# Altium PCB FMC_ADC_128CH_10B.PcbDoc (part 2 of 14) (continued)
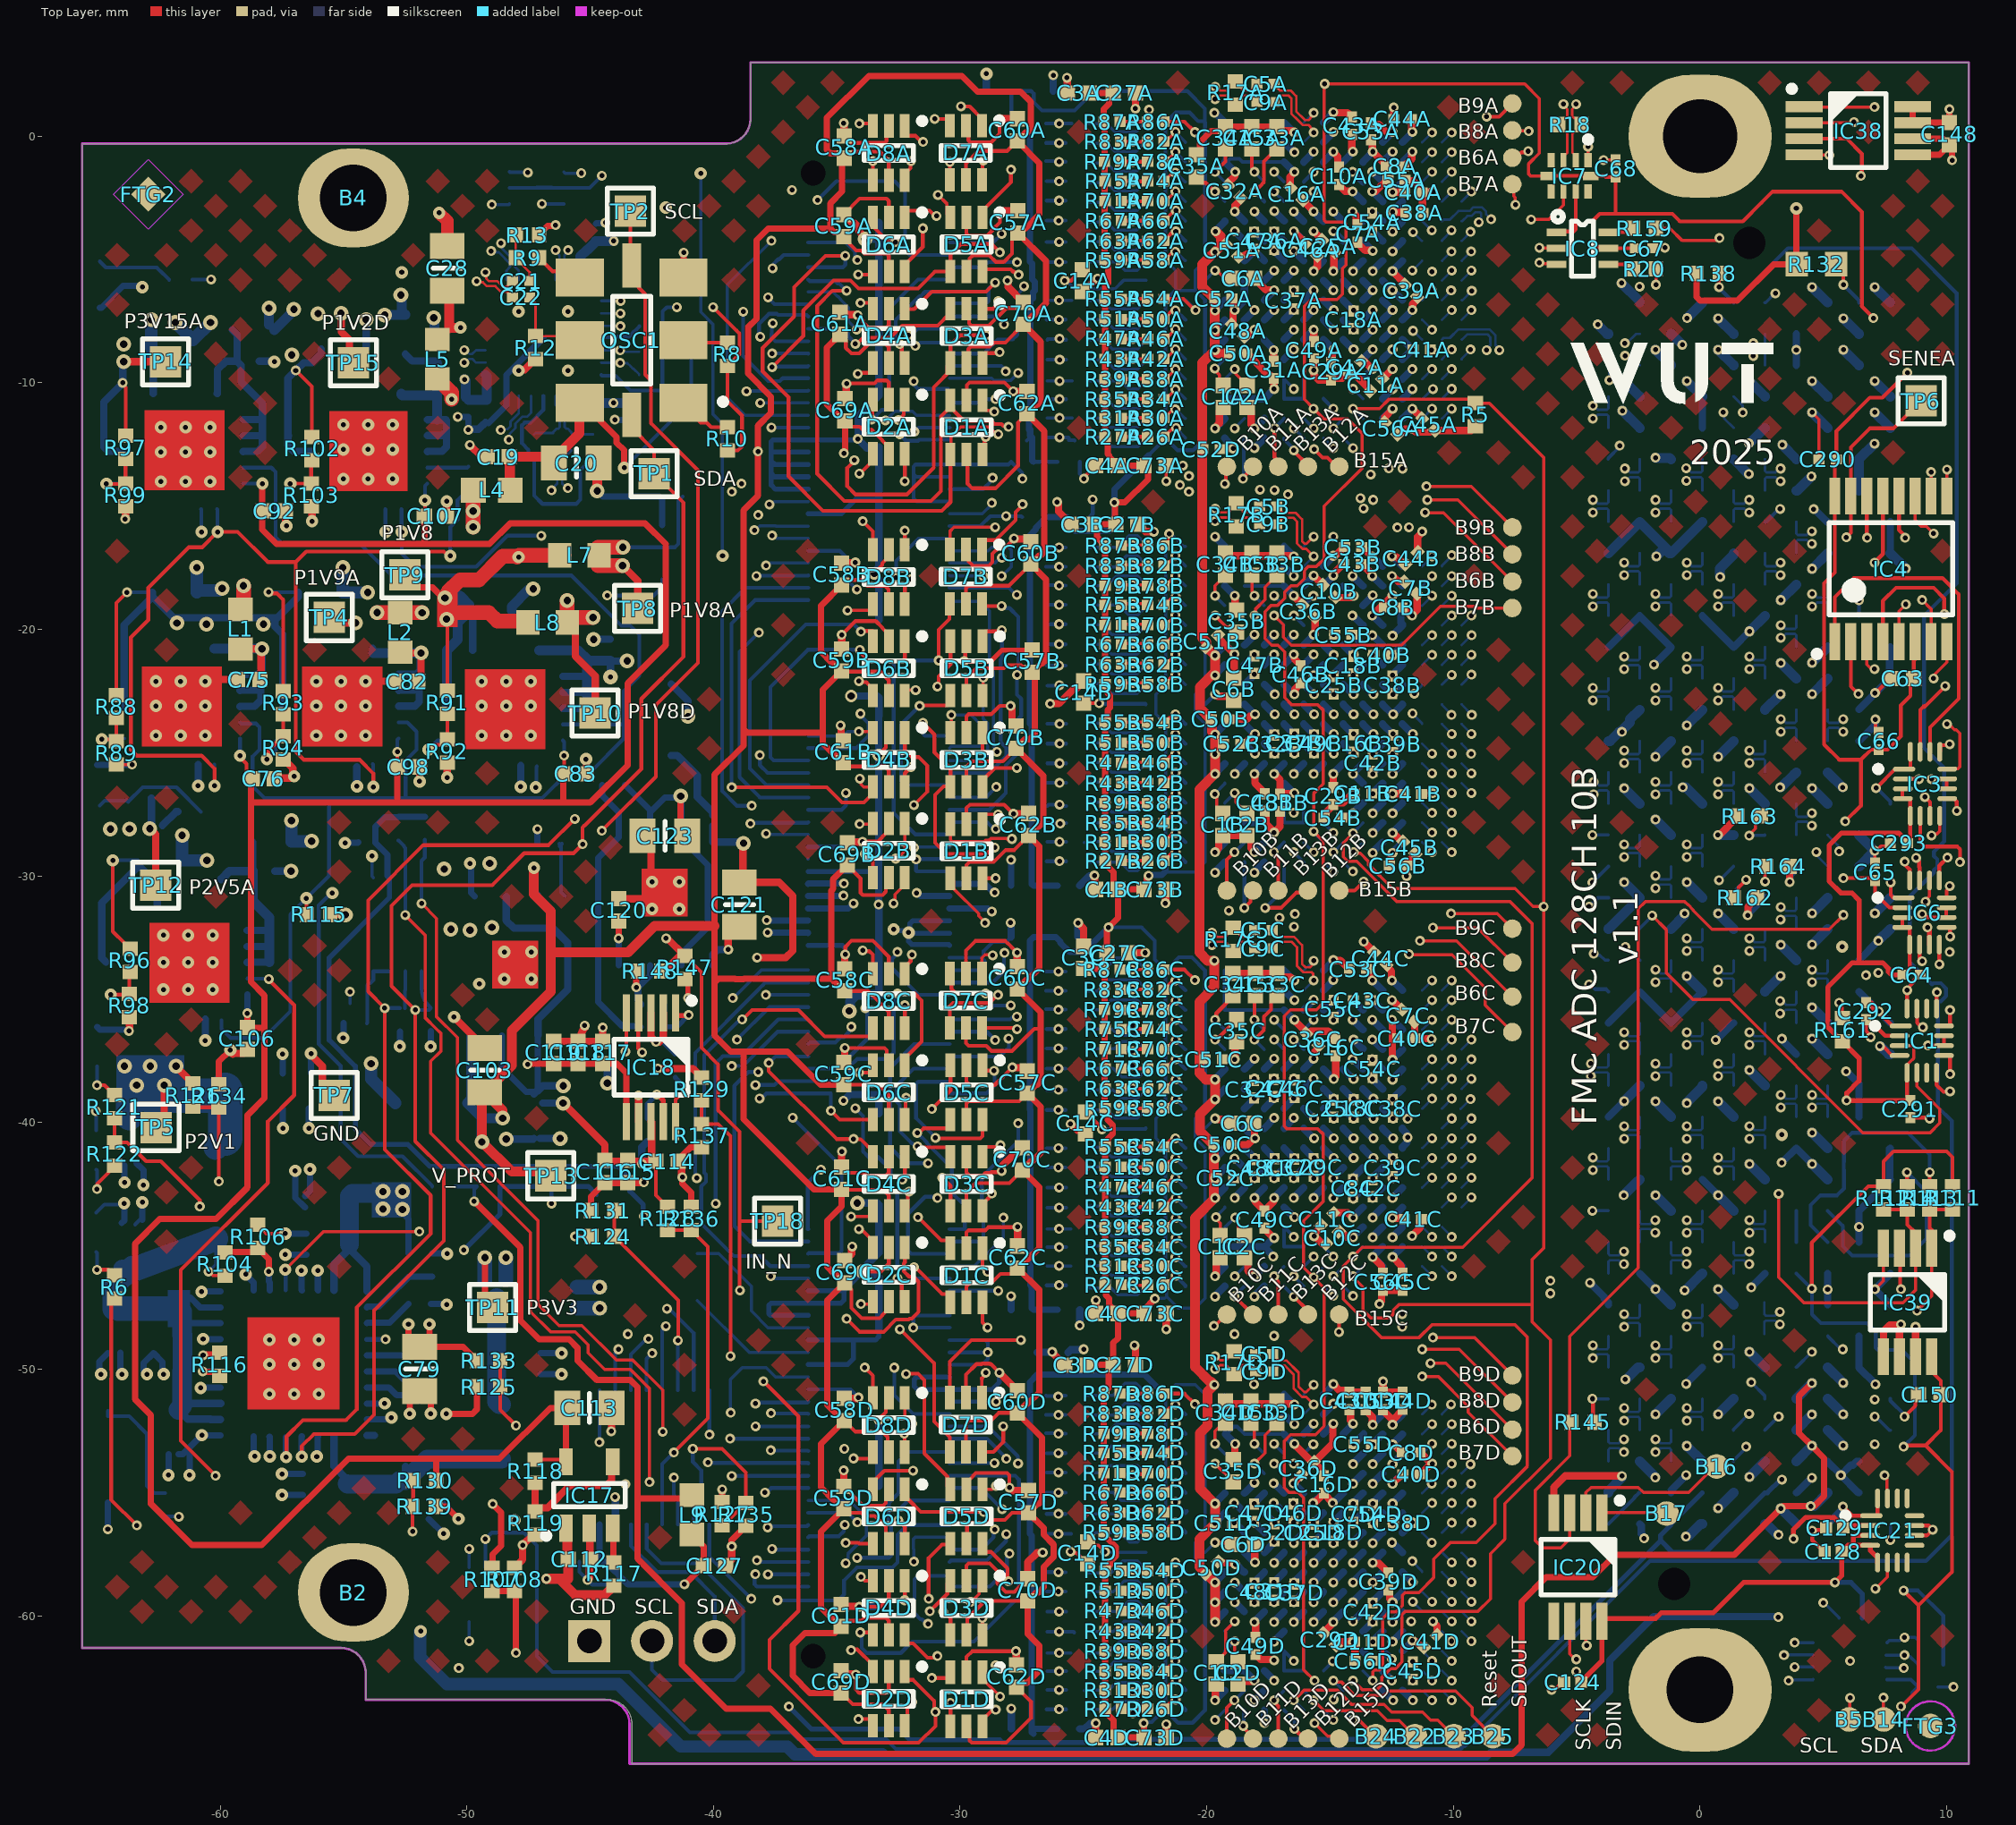
[diagram p0: Top Layer view]
## Components (designator, comment, footprint, x,y, rotation, side; value= is the part's Value field where it differs from the comment) (continued)
R57D "100" RESC0603X28N -25.197,-56.678 r0 bottom (schematic designator R57)
R58A "100" RESC0603X28N -22.069,-5.022 r180 top (schematic designator R58)
R58B "100" RESC0603X28N -22.069,-22.21 r180 top (schematic designator R58)
R58C "100" RESC0603X28N -22.069,-39.406 r180 top (schematic designator R58)
R58D "100" RESC0603X28N -22.069,-56.602 r180 top (schematic designator R58)
R59A "49R9" RESC0603X28N -23.792,-5.022 r180 top (schematic designator R59)
R59B "49R9" RESC0603X28N -23.792,-22.21 r180 top (schematic designator R59)
R59C "49R9" RESC0603X28N -23.792,-39.406 r180 top (schematic designator R59)
R59D "49R9" RESC0603X28N -23.842,-56.602 r180 top (schematic designator R59)
R60A "49R9" RESC0603X28N -26.819,-4.285 r180 bottom (schematic designator R60)
R60B "49R9" RESC0603X28N -26.819,-21.474 r180 bottom (schematic designator R60)
R60C "49R9" RESC0603X28N -26.819,-38.67 r180 bottom (schematic designator R60)
R60D "49R9" RESC0603X28N -26.819,-55.865 r180 bottom (schematic designator R60)
R61A "100" RESC0603X28N -25.147,-4.285 r0 bottom (schematic designator R61)
R61B "100" RESC0603X28N -25.147,-21.474 r0 bottom (schematic designator R61)
R61C "100" RESC0603X28N -25.197,-38.67 r0 bottom (schematic designator R61)
R61D "100" RESC0603X28N -25.197,-55.866 r0 bottom (schematic designator R61)
R62A "100" RESC0603X28N -22.069,-4.234 r180 top (schematic designator R62)
R62B "100" RESC0603X28N -22.069,-21.423 r180 top (schematic designator R62)
R62C "100" RESC0603X28N -22.069,-38.619 r180 top (schematic designator R62)
R62D "100" RESC0603X28N -22.069,-55.815 r180 top (schematic designator R62)
R63A "49R9" RESC0603X28N -23.792,-4.234 r180 top (schematic designator R63)
R63B "49R9" RESC0603X28N -23.792,-21.423 r180 top (schematic designator R63)
R63C "49R9" RESC0603X28N -23.792,-38.619 r180 top (schematic designator R63)
R63D "49R9" RESC0603X28N -23.842,-55.815 r180 top (schematic designator R63)
R64A "49R9" RESC0603X28N -26.819,-3.422 r180 bottom (schematic designator R64)
R64B "49R9" RESC0603X28N -26.819,-20.61 r180 bottom (schematic designator R64)
R64C "49R9" RESC0603X28N -26.819,-37.806 r180 bottom (schematic designator R64)
R64D "49R9" RESC0603X28N -26.819,-55.002 r180 bottom (schematic designator R64)
R65A "100" RESC0603X28N -25.147,-3.422 r0 bottom (schematic designator R65)
R65B "100" RESC0603X28N -25.147,-20.61 r0 bottom (schematic designator R65)
R65C "100" RESC0603X28N -25.197,-37.806 r0 bottom (schematic designator R65)
R65D "100" RESC0603X28N -25.197,-55.002 r0 bottom (schematic designator R65)
R66A "100" RESC0603X28N -22.069,-3.422 r180 top (schematic designator R66)
R66B "100" RESC0603X28N -22.069,-20.61 r180 top (schematic designator R66)
R66C "100" RESC0603X28N -22.069,-37.806 r180 top (schematic designator R66)
R66D "100" RESC0603X28N -22.069,-55.002 r180 top (schematic designator R66)
R67A "49R9" RESC0603X28N -23.792,-3.422 r180 top (schematic designator R67)
R67B "49R9" RESC0603X28N -23.792,-20.61 r180 top (schematic designator R67)
R67C "49R9" RESC0603X28N -23.792,-37.806 r180 top (schematic designator R67)
R67D "49R9" RESC0603X28N -23.842,-55.002 r180 top (schematic designator R67)
R68A "49R9" RESC0603X28N -26.819,-2.609 r180 bottom (schematic designator R68)
R68B "49R9" RESC0603X28N -26.819,-19.797 r180 bottom (schematic designator R68)
R68C "49R9" RESC0603X28N -26.819,-36.993 r180 bottom (schematic designator R68)
R68D "49R9" RESC0603X28N -26.819,-54.189 r180 bottom (schematic designator R68)
R69A "100" RESC0603X28N -25.146,-2.609 r0 bottom (schematic designator R69)
R69B "100" RESC0603X28N -25.146,-19.798 r0 bottom (schematic designator R69)
R69C "100" RESC0603X28N -25.196,-36.993 r0 bottom (schematic designator R69)
R69D "100" RESC0603X28N -25.196,-54.189 r0 bottom (schematic designator R69)
R70A "100" RESC0603X28N -22.069,-2.634 r180 top (schematic designator R70)
R70B "100" RESC0603X28N -22.069,-19.823 r180 top (schematic designator R70)
R70C "100" RESC0603X28N -22.069,-37.019 r180 top (schematic designator R70)
R70D "100" RESC0603X28N -22.069,-54.214 r180 top (schematic designator R70)
R71A "49R9" RESC0603X28N -23.792,-2.634 r180 top (schematic designator R71)
R71B "49R9" RESC0603X28N -23.792,-19.823 r180 top (schematic designator R71)
R71C "49R9" RESC0603X28N -23.792,-37.019 r180 top (schematic designator R71)
R71D "49R9" RESC0603X28N -23.842,-54.214 r180 top (schematic designator R71)
R72A "49R9" RESC0603X28N -26.819,-1.821 r180 bottom (schematic designator R72)
R72B "49R9" RESC0603X28N -26.819,-19.01 r180 bottom (schematic designator R72)
R72C "49R9" RESC0603X28N -26.819,-36.206 r180 bottom (schematic designator R72)
R72D "49R9" RESC0603X28N -26.819,-53.402 r180 bottom (schematic designator R72)
R73A "100" RESC0603X28N -25.147,-1.821 r0 bottom (schematic designator R73)
R73B "100" RESC0603X28N -25.147,-19.01 r0 bottom (schematic designator R73)
R73C "100" RESC0603X28N -25.197,-36.206 r0 bottom (schematic designator R73)
R73D "100" RESC0603X28N -25.197,-53.402 r0 bottom (schematic designator R73)
R74A "100" RESC0603X28N -22.069,-1.821 r180 top (schematic designator R74)
R74B "100" RESC0603X28N -22.069,-19.01 r180 top (schematic designator R74)
R74C "100" RESC0603X28N -22.069,-36.206 r180 top (schematic designator R74)
R74D "100" RESC0603X28N -22.069,-53.402 r180 top (schematic designator R74)
R75A "49R9" RESC0603X28N -23.792,-1.822 r180 top (schematic designator R75)
R75B "49R9" RESC0603X28N -23.792,-19.01 r180 top (schematic designator R75)
R75C "49R9" RESC0603X28N -23.792,-36.206 r180 top (schematic designator R75)
R75D "49R9" RESC0603X28N -23.842,-53.402 r180 top (schematic designator R75)
R76A "49R9" RESC0603X28N -26.844,-1.009 r180 bottom (schematic designator R76)
R76B "49R9" RESC0603X28N -26.844,-18.197 r180 bottom (schematic designator R76)
R76C "49R9" RESC0603X28N -26.844,-35.393 r180 bottom (schematic designator R76)
R76D "49R9" RESC0603X28N -26.844,-52.589 r180 bottom (schematic designator R76)
R77A "100" RESC0603X28N -25.147,-1.034 r0 bottom (schematic designator R77)
R77B "100" RESC0603X28N -25.147,-18.223 r0 bottom (schematic designator R77)
R77C "100" RESC0603X28N -25.197,-35.418 r0 bottom (schematic designator R77)
R77D "100" RESC0603X28N -25.197,-52.614 r0 bottom (schematic designator R77)
R78A "100" RESC0603X28N -22.069,-1.034 r180 top (schematic designator R78)
R78B "100" RESC0603X28N -22.069,-18.223 r180 top (schematic designator R78)
R78C "100" RESC0603X28N -22.069,-35.418 r180 top (schematic designator R78)
R78D "100" RESC0603X28N -22.069,-52.614 r180 top (schematic designator R78)
R79A "49R9" RESC0603X28N -23.817,-1.034 r180 top (schematic designator R79)
R79B "49R9" RESC0603X28N -23.792,-18.223 r180 top (schematic designator R79)
R79C "49R9" RESC0603X28N -23.817,-35.418 r180 top (schematic designator R79)
R79D "49R9" RESC0603X28N -23.842,-52.614 r180 top (schematic designator R79)
R80A "49R9" RESC0603X28N -26.844,-0.272 r180 bottom (schematic designator R80)
R80B "49R9" RESC0603X28N -26.844,-17.461 r180 bottom (schematic designator R80)
R80C "49R9" RESC0603X28N -26.844,-34.656 r180 bottom (schematic designator R80)
R80D "49R9" RESC0603X28N -26.844,-51.852 r180 bottom (schematic designator R80)
R81A "100" RESC0603X28N -25.147,-0.272 r0 bottom (schematic designator R81)
R81B "100" RESC0603X28N -25.147,-17.461 r0 bottom (schematic designator R81)
R81C "100" RESC0603X28N -25.197,-34.656 r0 bottom (schematic designator R81)
R81D "100" RESC0603X28N -25.197,-51.852 r0 bottom (schematic designator R81)
R82A "100" RESC0603X28N -22.069,-0.221 r180 top (schematic designator R82)
R82B "100" RESC0603X28N -22.069,-17.41 r180 top (schematic designator R82)
R82C "100" RESC0603X28N -22.069,-34.606 r180 top (schematic designator R82)
R82D "100" RESC0603X28N -22.069,-51.801 r180 top (schematic designator R82)
R83A "49R9" RESC0603X28N -23.817,-0.221 r180 top (schematic designator R83)
R83B "49R9" RESC0603X28N -23.792,-17.41 r180 top (schematic designator R83)
R83C "49R9" RESC0603X28N -23.817,-34.606 r180 top (schematic designator R83)
R83D "49R9" RESC0603X28N -23.842,-51.801 r180 top (schematic designator R83)
R84A "49R9" RESC0603X28N -26.844,0.515 r180 bottom (schematic designator R84)
R84B "49R9" RESC0603X28N -26.844,-16.673 r180 bottom (schematic designator R84)
R84C "49R9" RESC0603X28N -26.844,-33.869 r180 bottom (schematic designator R84)
R84D "49R9" RESC0603X28N -26.844,-51.065 r180 bottom (schematic designator R84)
R85A "100" RESC0603X28N -25.147,0.515 r0 bottom (schematic designator R85)
R85B "100" RESC0603X28N -25.147,-16.673 r0 bottom (schematic designator R85)
R85C "100" RESC0603X28N -25.197,-33.869 r0 bottom (schematic designator R85)
R85D "100" RESC0603X28N -25.197,-51.065 r0 bottom (schematic designator R85)
R86A "100" RESC0603X28N -22.069,0.592 r180 top (schematic designator R86)
R86B "100" RESC0603X28N -22.069,-16.597 r180 top (schematic designator R86)
R86C "100" RESC0603X28N -22.069,-33.793 r180 top (schematic designator R86)
R86D "100" RESC0603X28N -22.069,-50.989 r180 top (schematic designator R86)
R87A "49R9" RESC0603X28N -23.842,0.591 r180 top (schematic designator R87)
R87B "49R9" RESC0603X28N -23.792,-16.597 r180 top (schematic designator R87)
R87C "49R9" RESC0603X28N -23.842,-33.793 r180 top (schematic designator R87)
R87D "49R9" RESC0603X28N -23.842,-50.989 r180 top (schematic designator R87)
R88 "33k" RESC1005X40N -64.208,-23.125 r90 top
R89 "24k" RESC1005X40N -64.208,-25.004 r90 top
R90 "10k" RESC1005X40N -49.12,-42.586 r0 bottom
R91 "30k" RESC1005X40N -50.788,-22.952 r90 top
R92 "24k" RESC1005X40N -50.788,-24.933 r90 top
R93 "33k" RESC1005X40N -57.438,-22.968 r90 top
R94 "24k" RESC1005X40N -57.438,-24.797 r90 top
R95 "10k" RESC1005X40N -44.285,-37.257 r90 bottom
R96 "51k" RESC1005X40N -63.653,-33.415 r90 top
R97 "47k" RESC1005X40N -63.833,-12.613 r90 top
R98 "24k" RESC1005X40N -63.678,-35.244 r90 top
R99 "16k" RESC1005X40N -63.833,-14.543 r90 top
R100 "10k" RESC1005X40N -50.935,-42.586 r0 bottom
R101 "0" RESC1005X40N -49.937,-13.862 r270 bottom
R102 "10k" RESC1005X40N -56.281,-12.663 r90 top
R103 "20k" RESC1005X40N -56.307,-14.543 r90 top
R104 "7k5" RESC1005X40N -59.808,-45.733 r270 top
R105 "10k" RESC1005X40N 6.107,-60.086 r0 bottom
R106 "3k" RESC1005X40N -58.474,-44.617 r270 top
R107 "6k8" RESC1005X40N -48.981,-58.52 r90 top
R108 "1k5" RESC1005X40N -48.066,-58.52 r270 top
R109 "2k4" RESC1005X40N -52.361,-45.768 r90 bottom
R110 "1k8" RESC1005X40N -51.396,-45.768 r270 bottom
R111 "10k" RESC1005X40N 10.237,-43.05 r90 top
R112 "10k" RESC1005X40N 7.437,-43.05 r90 top
R113 "0" RESC1005X40N 9.312,-43.05 r90 top
R114 "0" RESC1005X40N 8.402,-43.05 r90 top
R115 "10k" RESC1005X40N -56.006,-31.562 r0 top
R116 "0" RESC1005X40N -60.025,-49.8 r90 top
R117 "0" RESC1005X40N -44.031,-58.299 r90 top
R118 "5k6" RESC1005X40N -47.229,-54.13 r90 top
R119 "1k8" RESC1005X40N -47.229,-56.23 r90 top
R120 "1k" RESC1005X40N -63.257,-26.984 r0 bottom
R121 "1k" RESC1005X40N -64.286,-39.353 r270 top
R122 "1k" RESC1005X40N -64.286,-41.268 r90 top
R123 "10k" RESC1005X40N -41.713,-14.604 r0 bottom
R124 "1k3" RESC1005X40N -44.483,-44.617 r180 top
R125 "7k5" RESC1005X40N -49.114,-50.708 r180 top
R126 "1k" RESC1005X40N -61.102,-38.883 r90 top
R127 "1k3" RESC1005X40N -39.645,-55.861 r90 top
R128 "1k3" RESC1005X40N -41.855,-43.88 r90 top
R129 "3k" RESC1005X40N -40.479,-38.633 r90 top
R130 "1k5" RESC1005X40N -51.705,-54.511 r0 top
R131 "2k" RESC1005X40N -44.49,-43.567 r0 top
R132 "4k7" RESC1608X55N 4.717,-5.193 r0 top
R133 "1k5" RESC1005X40N -49.114,-49.649 r0 top
R134 "20k" RESC1005X40N -60.053,-38.908 r270 top
R135 "2k" RESC1005X40N -38.684,-55.883 r90 top
R136 "2k" RESC1005X40N -40.893,-43.891 r270 top
R137 "12k" RESC1005X40N -40.479,-40.526 r90 top
R138 "10k" RESC1005X40N 0.332,-5.56 r0 top
R139 "1k" RESC1005X40N -51.726,-55.558 r180 top
R140 "1k" RESC1005X40N -61.248,-27.391 r180 bottom
R141 "0" RESC1005X40N -42.783,-40.302 r270 bottom
R142 "0" RESC1005X40N -42.473,-36.115 r180 bottom
R143 "1k" RESC1005X40N -41.559,-37.693 r270 bottom
R144 "0" RESC1005X40N -44.048,-26.312 r0 bottom
R145 "10k" RESC1005X40N -4.751,-52.149 r180 top
R146 "0" RESC1005X40N -42.455,-35.226 r0 bottom
R147 "0" RESC1005X40N -41.154,-33.713 r270 top
R148 "0" RESC1005X40N -42.582,-33.851 r180 top
R158 "2k2" RESC1005X40N -52.782,-28.088 r90 bottom
R159 "2k2" RESC1005X40N -2.256,-3.732 r180 top
R160 "100k" RESC1005X40N -54.519,-35.963 r180 bottom
R161 "2k2" RESC1005X40N 5.768,-36.234 r90 top
R162 "2k2" RESC1005X40N 1.833,-30.874 r180 top
R163 "2k2" RESC1005X40N 2.006,-27.56 r0 top
R164 "2k2" RESC1005X40N 3.163,-29.604 r180 top
T1 "2N7002DW" SOT65P210X110-6N -47.164,-2.094 r0 bottom
T2 "2N7002DW" SOT65P210X110-6N -49.247,-59.142 r90 bottom
T3 "2N7002DW" SOT65P210X110-6N -41.424,-16.871 r90 bottom
TP1 "I2C SW SDA" TPS127 -42.4,-13.677 r180 top
TP2 "I2C SW SCL" TPS127 -43.364,-3.043 r180 top
TP3 "Test Point" TPS127 -44.8,-42.862 r90 bottom
TP4 "Test Point" TPS127 -55.568,-19.514 r270 top
TP5 "Test Point" TPS127 -62.602,-40.193 r270 top
TP6 "Test Point" TPS127 8.958,-10.727 r180 top
TP7 "Test Point" TPS127 -55.369,-38.892 r90 top
TP8 "Test Point" TPS127 -43.072,-19.145 r270 top
TP9 "Test Point" TPS127 -52.505,-17.785 r270 top
TP10 "Test Point" TPS127 -44.795,-23.391 r270 top
TP11 "Test Point" TPS127 -48.952,-47.494 r270 top
TP12 "Test Point" TPS127 -62.609,-30.368 r270 top
TP13 "Test Point" TPS127 -46.589,-42.152 r270 top
TP14 "Test Point" TPS127 -62.205,-9.148 r270 top
TP15 "Test Point" TPS127 -54.6,-9.192 r270 top
TP16 "SMD Pad" C100#2 -40.653,-45.313 r0 bottom
TP17 "SMD Pad" C100#2 -40.653,-47.206 r0 bottom
TP18 "Test Point" TPS127 -37.4,-43.991 r90 top
U1A "AFE5832ZBV" BGA289C80P17X17_1500X1500X140 -16.067,-5.845 r270 bottom locked (schematic designator U1)
U1B "AFE5832ZBV" BGA289C80P17X17_1500X1500X140 -16.067,-23.034 r270 bottom locked (schematic designator U1)
U1C "AFE5832ZBV" BGA289C80P17X17_1500X1500X140 -16.067,-40.23 r270 bottom locked (schematic designator U1)
U1D "AFE5832ZBV" BGA289C80P17X17_1500X1500X140 -16.067,-57.425 r270 bottom locked (schematic designator U1)

## Footprints (in the part's own frame and the unit in brackets; to place one, negate y for a bottom-side part, rotate by r counter-clockwise, add the part's x,y. Pads: shape width x height; smd on the part's side, far side on the other; paste and mask are expansions set on the pad)
"16 QSOP" [mil]
  rect 57.5x14 smd paste+0 mask+0: 1(-107.25,87.5) 2(-107.25,62.5) 3(-107.25,37.5) 4(-107.25,12.5) 5(-107.25,-12.5) 6(-107.25,-37.5) 7(-107.25,-62.5) 8(-107.25,-87.5) 9(107.25,-87.5) 10(107.25,-62.5) 11(107.25,-37.5) 12(107.25,-12.5) 13(107.25,12.5) 14(107.25,37.5) 15(107.25,62.5) 16(107.25,87.5)
  silkscreen extent -162,-103 69,103, body extent -122,-98 122,98, height 69
BGA289C80P17X17_1500X1500X140 [mm] "BGA, 0.80mm Pitch, Square; 289 Pin, 17 Columns X 17 Rows, 15.0mm X 15.0mm X 1.40mm H"
  round 0.45 smd: A1(-6.4,6.4) A2(-5.6,6.4) A3(-4.8,6.4) A4(-4,6.4) A5(-3.2,6.4) A6(-2.4,6.4) A7(-1.6,6.4) A8(-0.8,6.4) A9(0,6.4) A10(0.8,6.4) A11(1.6,6.4) A12(2.4,6.4) A13(3.2,6.4) A14(4,6.4) A15(4.8,6.4) A16(5.6,6.4) A17(6.4,6.4) B1(-6.4,5.6) B2(-5.6,5.6) B3(-4.8,5.6) B4(-4,5.6) B5(-3.2,5.6) B6(-2.4,5.6) B7(-1.6,5.6) B8(-0.8,5.6) B9(0,5.6) B10(0.8,5.6) B11(1.6,5.6) B12(2.4,5.6) B13(3.2,5.6) B14(4,5.6) B15(4.8,5.6) B16(5.6,5.6) B17(6.4,5.6) C1(-6.4,4.8) C2(-5.6,4.8) C3(-4.8,4.8) C4(-4,4.8) C5(-3.2,4.8) C6(-2.4,4.8) C7(-1.6,4.8) C8(-0.8,4.8) C9(0,4.8) C10(0.8,4.8) C11(1.6,4.8) C12(2.4,4.8) C13(3.2,4.8) C14(4,4.8) C15(4.8,4.8) C16(5.6,4.8) C17(6.4,4.8) D1(-6.4,4) D2(-5.6,4) D3(-4.8,4) D4(-4,4) D5(-3.2,4) D6(-2.4,4) D7(-1.6,4) D8(-0.8,4) D9(0,4) D10(0.8,4) D11(1.6,4) D12(2.4,4) D13(3.2,4) D14(4,4) D15(4.8,4) D16(5.6,4) D17(6.4,4) E1(-6.4,3.2) E2(-5.6,3.2) E3(-4.8,3.2) E4(-4,3.2) E5(-3.2,3.2) E6(-2.4,3.2) E7(-1.6,3.2) E8(-0.8,3.2) E9(0,3.2) E10(0.8,3.2) E11(1.6,3.2) E12(2.4,3.2) E13(3.2,3.2) E14(4,3.2) E15(4.8,3.2) E16(5.6,3.2) E17(6.4,3.2) F1(-6.4,2.4) F2(-5.6,2.4) F3(-4.8,2.4) F4(-4,2.4) F5(-3.2,2.4) F6(-2.4,2.4) F7(-1.6,2.4) F8(-0.8,2.4) F9(0,2.4) F10(0.8,2.4) F11(1.6,2.4) F12(2.4,2.4) F13(3.2,2.4) F14(4,2.4) F15(4.8,2.4) F16(5.6,2.4) F17(6.4,2.4) G1(-6.4,1.6) G2(-5.6,1.6) G3(-4.8,1.6) G4(-4,1.6) G5(-3.2,1.6) G6(-2.4,1.6) G7(-1.6,1.6) G8(-0.8,1.6) G9(0,1.6) G10(0.8,1.6) G11(1.6,1.6) G12(2.4,1.6) G13(3.2,1.6) G14(4,1.6) G15(4.8,1.6) G16(5.6,1.6) G17(6.4,1.6) H1(-6.4,0.8) H2(-5.6,0.8) H3(-4.8,0.8) H4(-4,0.8) H5(-3.2,0.8) H6(-2.4,0.8) H7(-1.6,0.8) H8(-0.8,0.8) H9(0,0.8) H10(0.8,0.8) H11(1.6,0.8) H12(2.4,0.8) H13(3.2,0.8) H14(4,0.8) H15(4.8,0.8) H16(5.6,0.8) H17(6.4,0.8) J1(-6.4,0) J2(-5.6,0) J3(-4.8,0) J4(-4,0) J5(-3.2,0) J6(-2.4,0) J7(-1.6,0) J8(-0.8,0) J9(0,0) J10(0.8,0) J11(1.6,0) J12(2.4,0) J13(3.2,0) J14(4,0) J15(4.8,0) J16(5.6,0) J17(6.4,0) K1(-6.4,-0.8) K2(-5.6,-0.8) K3(-4.8,-0.8) K4(-4,-0.8) K5(-3.2,-0.8) K6(-2.4,-0.8) K7(-1.6,-0.8) K8(-0.8,-0.8) K9(0,-0.8) K10(0.8,-0.8) K11(1.6,-0.8) K12(2.4,-0.8) K13(3.2,-0.8) K14(4,-0.8) K15(4.8,-0.8) K16(5.6,-0.8) K17(6.4,-0.8) L1(-6.4,-1.6) L2(-5.6,-1.6) L3(-4.8,-1.6) L4(-4,-1.6) L5(-3.2,-1.6) L6(-2.4,-1.6) L7(-1.6,-1.6) L8(-0.8,-1.6) L9(0,-1.6) L10(0.8,-1.6) L11(1.6,-1.6) L12(2.4,-1.6) L13(3.2,-1.6) L14(4,-1.6) L15(4.8,-1.6) L16(5.6,-1.6) L17(6.4,-1.6) M1(-6.4,-2.4) M2(-5.6,-2.4) M3(-4.8,-2.4) M4(-4,-2.4) M5(-3.2,-2.4) M6(-2.4,-2.4) M7(-1.6,-2.4) M8(-0.8,-2.4) M9(0,-2.4) M10(0.8,-2.4) M11(1.6,-2.4) M12(2.4,-2.4) M13(3.2,-2.4) M14(4,-2.4) M15(4.8,-2.4) M16(5.6,-2.4) M17(6.4,-2.4) N1(-6.4,-3.2) N2(-5.6,-3.2) N3(-4.8,-3.2) N4(-4,-3.2) N5(-3.2,-3.2) N6(-2.4,-3.2) N7(-1.6,-3.2) N8(-0.8,-3.2) N9(0,-3.2) N10(0.8,-3.2) N11(1.6,-3.2) N12(2.4,-3.2) N13(3.2,-3.2) N14(4,-3.2) N15(4.8,-3.2) N16(5.6,-3.2) N17(6.4,-3.2) P1(-6.4,-4) P2(-5.6,-4) P3(-4.8,-4) P4(-4,-4) P5(-3.2,-4) P6(-2.4,-4) P7(-1.6,-4) P8(-0.8,-4) P9(0,-4) P10(0.8,-4) P11(1.6,-4) P12(2.4,-4) P13(3.2,-4) P14(4,-4) P15(4.8,-4) P16(5.6,-4) P17(6.4,-4) R1(-6.4,-4.8) R2(-5.6,-4.8) R3(-4.8,-4.8) R4(-4,-4.8) R5(-3.2,-4.8) R6(-2.4,-4.8) R7(-1.6,-4.8) R8(-0.8,-4.8) R9(0,-4.8) R10(0.8,-4.8) R11(1.6,-4.8) R12(2.4,-4.8) R13(3.2,-4.8) R14(4,-4.8) R15(4.8,-4.8) R16(5.6,-4.8) R17(6.4,-4.8) T1(-6.4,-5.6) T2(-5.6,-5.6) T3(-4.8,-5.6) T4(-4,-5.6) T5(-3.2,-5.6) T6(-2.4,-5.6) T7(-1.6,-5.6) T8(-0.8,-5.6) T9(0,-5.6) T10(0.8,-5.6) T11(1.6,-5.6) T12(2.4,-5.6) T13(3.2,-5.6) T14(4,-5.6) T15(4.8,-5.6) T16(5.6,-5.6) T17(6.4,-5.6) U1(-6.4,-6.4) U2(-5.6,-6.4) U3(-4.8,-6.4) U4(-4,-6.4) U5(-3.2,-6.4) U6(-2.4,-6.4) U7(-1.6,-6.4) U8(-0.8,-6.4) U9(0,-6.4) U10(0.8,-6.4) U11(1.6,-6.4) U12(2.4,-6.4) U13(3.2,-6.4) U14(4,-6.4) U15(4.8,-6.4) U16(5.6,-6.4) U17(6.4,-6.4)
  silkscreen extent -8.22,-7.5 7.5,7.5, body extent -7.5,-7.5 7.5,7.5, height 1.4
C75 [mm] "0.75mm Diameter SMD Pad"
  round 0.75 smd paste-1: 1(0,0)
C100#1 [mm] "1mm Diameter SMD Pad"
  round 1 smd paste-1: 1(0,0)
C100#2 [mm] "1mm Diameter SMD Pad"
  round 1 smd paste-0.5: 1(0,0)
CAPC0603X33N#1 [mm] "Chip Capacitor, Body 0.6x0.30mm, IPC Medium Density"
  rect 0.45x0.4 smd: 1(-0.35,0) 2(0.35,0)
  body extent -0.31,-0.16 0.32,0.17, height 0.33
CAPC0603X33N#2 [mm] "Chip Capacitor, Body 0.6x0.30mm, IPC Medium Density"
  rect 0.5x0.45 smd paste-0.025 mask-0.025: 1(-0.35,0) 2(0.35,0)
  body extent -0.31,-0.16 0.32,0.17, height 0.33
CAPC1005X55N [mm] "Capacitor, Non-Polarized, Chip; 1.00mm L X 0.50mm W X 0.70mm H, IPC Medium Density"
  rect 0.62x0.62 smd: 1(-0.45,0) 2(0.45,0)
  body extent -0.52,-0.27 0.53,0.28, height 0.55
CAPC2012X135N [mm] "Chip Capacitor, Body 2.0x1.25mm, IPC Medium Density"
  rect 1.05x1.4 smd: 1(-0.9,0) 2(0.9,0)
  silkscreen extent 0,-0.57 0,0.58, body extent -1.05,-0.67 1.05,0.68, height 1.25
CAPMP3528X210N [mm] "Capacitor, Polarized, Molded  Body 3.5x2.8mm, IPC Medium Density"
  rect 1.8x2.25 smd: 1(-1.45,0) 2(1.45,0)
  silkscreen extent -2.52,-1.5 1.85,1.72, body extent -1.85,-1.5 1.85,1.5, height 2.1
DDA0008D_M [mm] "SOP, 8-Leads, Body 4x5mm, Pitch 1.27mm, Thermal Pad 2.28x2.28mm, IPC Low Density"
  rrect15% 1.65x0.65 smd: 1(-2.825,1.905) 2(-2.825,0.635) 3(-2.825,-0.635) 4(-2.825,-1.905) 5(2.825,-1.905) 6(2.825,-0.635) 7(2.825,0.635) 8(2.825,1.905)
  rrect4% 2.28x2.28 smd: 9(0,0)
  silkscreen extent -2.95,-2.5 1.6,2.9, body extent -2.98,-2.45 2.98,2.45, height 1.55
FIDUCIAL_TOP_C100-200 [mm] "Round Fiducial Target, Top Layer, 1.0mm, Top Solder 2.0mm, Keepout =2.0mm"
  round 1 smd paste-0.51 mask+0.5: FTG2(0,0)
  Top Layer keep-out circle w0.1: c0,0 r1
FIDUCIAL_TOP_S100-200 [mm] "Square Fiducial Target, Top Layer, 1.0mm, Top Solder 2.0mm, Keepout =2.0mm"
  rect 1x1 smd rot 45 paste-0.51 mask+0.5: 1(0,0)
  Top Layer keep-out region: 1.414,0 0,-1.414 -1.414,0 0,1.414
IND_BOURNS_SRN3015 [mm] "SMD Inductor  Body Width 3.0mm Body Lenght 3.0mm Height 1.5mm, SRN3015 Series"
  rect 1x2.7 smd: 1(-1.1,0) 2(1.1,0)
  silkscreen extent -0.3,-1.5 0.3,1.5, body extent -1.51,-1.5 1.51,1.5, height 1.5
IND_BOURNS_SRP4020TA [mm] "SMD Inductor Body Width 4.7mm Body Lenght 4.3mm Height 2mm"
  rect 1.5x2.4 smd: 1(-1.85,0) 2(1.85,0)
  silkscreen extent -2.15,-2.15 2.15,2.15, body extent -2.35,-2.15 2.35,2.15, height 2
INDC1608X65N [mm] "Chip Inductor, 2-Leads, EIA 0603, Metric 1608, Body 1.6x0.8mm, IPC Medium Density"
  rect 1x1 smd: 1(-0.75,0) 2(0.75,0)
  body extent -0.87,-0.47 0.88,0.48, height 0.65
INDC1608X95N [mm] "Chip Inductor, 2-Leads, EIA 0603, Metric 1608, Body 1.6x0.8mm, IPC Medium Density"
  rect 0.95x1 smd: 1(-0.8,0) 2(0.8,0)
  body extent -0.87,-0.47 0.88,0.48, height 0.95
LED_AVAGO_HSMC-C110 [mm] "Red Chip LED, 2-Leads, Body 3.3x1.6mm, Side Emitting Package"
  rect 1.5x1 smd: 1(-1.75,0) 2(1.75,0)
  rect 0.9x0.9 smd: 3(0,-0.65)
  silkscreen extent -1.87,-1.28 0.86,1.3, body extent -1.65,-0.3 1.65,1.3, height 1
LED_KINGBRIGHT_KPA-1606CGCK [mm] "SMT Green LED, Right Angle Mount, Body L 1.6 x W 0.6mm H 1.2mm"
  rect 0.9x1 smd: 1(-0.8,0) 2(0.8,0)
  silkscreen extent -1.92,-0.13 0.46,0.9, body extent -0.8,-0.3 0.8,0.6, height 0.6
MOLEX_90121-0763 [mm] "2.54mm (.100\") Pitch, 3 Circuits  Single Row  Right Angle C-Grid III Header"
  rect 1.7x1.7 hole 1: 1(-2.54,0)
  round 1.7 hole 1: 2(0,0) 3(2.54,0)
  silkscreen extent -4.64,0.6 3.81,11, body extent -3.81,-0.32 3.81,11, height 3.6
MPS_MPM54304GMN [mm] "MPS LGA-33 Case, 0.65mm Pitch, Rect. ; 32 Pin, 7.00mm L X 7.00mm W X 2.10mm H body (w/Thermal Tab 3.55 X 3.55mm)"
  rect 0.925x0.3 smd: 1(-2.963,1.633) 2(-2.963,0.983) 3(-2.963,0.325) 4(-3,-0.313) 5(-2.963,-0.983) 6(-2.963,-1.633) 17(2.963,-1.633) 18(2.963,-0.975) 19(2.963,-0.325) 20(2.963,0.325) 21(2.963,0.983) 22(2.963,1.633)
  rect 0.3x0.925 smd: 7(-2.925,-2.963) 8(-2.275,-2.963) 9(-1.625,-2.963) 10(-0.975,-2.963) 11(-0.325,-2.963) 12(0.325,-2.963) 13(0.975,-2.963) 14(1.625,-2.963) 15(2.275,-2.963) 16(2.925,-2.963) 23(2.925,2.962) 24(2.275,2.962) 25(1.625,2.962) 26(0.975,2.962) 27(0.325,2.962) 28(-0.325,2.962) 29(-0.975,2.962) 30(-1.625,2.962) 31(-2.275,2.962) 32(-2.925,2.962)
  rect 3.55x3.55 smd: 33(0,0)
  silkscreen extent -4.15,-3.5 3.5,3.5, body extent -3.5,-3.5 3.5,3.5, height 2.1
MTG300_600#1 [mm] "Plated Through Hole: Hole Dia.=3.0mm Pad Dia.=6.0mm"
  oval 5.8x5 hole 2.7: 1(0,0)
MTG300_600#2 [mm] "Plated Through Hole: Hole Dia.=3.0mm Pad Dia.=6.0mm"
  oval 4.5x4 hole 2.7: 1(0,0)
MTG300_600#3 [mm] "Plated Through Hole: Hole Dia.=3.0mm Pad Dia.=6.0mm"
  oval 5.8x5 hole 3: 1(0,0)
OSC_SILICON-LAB_SI549-A [mm] "Oscillator Si549 Series, 8 pins, 5x7mm"
  rect 1.95x1.55 smd: 1(-2.1,2.54) 2(-2.1,0) 3(-2.1,-2.54) 4(2.1,-2.54) 5(2.1,0) 6(2.1,2.54)
  rect 0.75x1.8 smd: 7(0,3.025) 8(0,-3.025)
  silkscreen extent -3.83,-1.77 0.78,2.62, body extent -2.5,-3.5 2.5,3.5, height 1.33
QFN40P180X260X55-16N [mm] "QFN, 0.40mm Pitch, Rect.; 16 Pin, 2.60mm L X 1.80mm W X 0.55mm H Body, IPC Medium Density"
  oval 0.9x0.2 smd: 1(-0.85,0.6)
  oval 0.8x0.2 smd: 2(-0.9,0.2) 3(-0.9,-0.2) 4(-0.9,-0.6) 9(0.9,-0.6) 10(0.9,-0.2) 11(0.9,0.2) 12(0.9,0.6)
  oval 0.2x0.8 smd: 5(-0.6,-1.3) 6(-0.2,-1.3) 7(0.2,-1.3) 8(0.6,-1.3) 13(0.6,1.3) 14(0.2,1.3) 15(-0.2,1.3) 16(-0.6,1.3)
  silkscreen extent -2.02,0.48 -1.77,0.72, body extent -0.9,-1.3 0.9,1.3, height 0.55
QFN50P500X500X100-29N-S325 [mm] "QFN, 0.50mm Pitch, Square; 28 pin, 5.00mm L X 5.00mm W X 1.00mm H body (w/thermal tab 3.25 X 3.25mm),  IPC Medium Density"
  oval 1.05x0.3 smd: 1(-2.35,1.5) 2(-2.35,1) 3(-2.35,0.5) 4(-2.35,0) 5(-2.35,-0.5) 6(-2.35,-1) 7(-2.35,-1.5) 15(2.35,-1.5) 16(2.35,-1) 17(2.35,-0.5) 18(2.35,0) 19(2.35,0.5) 20(2.35,1) 21(2.35,1.5)
  oval 0.3x1.05 smd: 8(-1.5,-2.35) 9(-1,-2.35) 10(-0.5,-2.35) 11(0,-2.35) 12(0.5,-2.35) 13(1,-2.35) 14(1.5,-2.35) 22(1.5,2.35) 23(1,2.35) 24(0.5,2.35) 25(0,2.35) 26(-0.5,2.35) 27(-1,2.35) 28(-1.5,2.35)
  rect 3.25x3.25 smd: 29(0,0)
  silkscreen extent -3.58,-2.5 2.5,2.5, body extent -2.5,-2.5 2.5,2.5, height 1
QFN65P500X500X100-21N-S325 [mm] "QFN, 0.65mm pitch,square; 20 pin, 5mm X 5mm X 1mm H body (w/thermal tab 3.25 X 3.25mm),  IPC Medium Density"
  oval 1.05x0.35 smd: 1(-2.35,1.3) 2(-2.35,0.65) 3(-2.35,0) 4(-2.35,-0.65) 5(-2.35,-1.3) 11(2.35,-1.3) 12(2.35,-0.65) 13(2.35,0) 14(2.35,0.65) 15(2.35,1.3)
  oval 0.35x1.05 smd: 6(-1.3,-2.35) 7(-0.65,-2.35) 8(0,-2.35) 9(0.65,-2.35) 10(1.3,-2.35) 16(1.3,2.35) 17(0.65,2.35) 18(0,2.35) 19(-0.65,2.35) 20(-1.3,2.35)
  rect 3.25x3.25 smd: 21(0,0)
  silkscreen extent -3.57,-2.5 2.5,2.5, body extent -2.57,-2.57 2.58,2.58, height 1
RESC0603X28N [mm] "Chip Resistor, EIA 0201, Metric 0603, Body 0.6 x 0.3mm, IPC Medium Density"
  rect 0.46x0.42 smd: 1(-0.33,0) 2(0.33,0)
  body extent -0.32,-0.17 0.33,0.18, height 0.28
RESC1005X40N [mm] "Chip Resistor, EIA 0402, Metric 1005, Body 1.0x0.5mm, IPC Medium Density"
  rect 0.58x0.62 smd: 1(-0.47,0) 2(0.47,0)
  body extent -0.52,-0.27 0.53,0.28, height 0.4
RESC1608X55N [mm] "Chip Resistor, EIA 0603, Metric 1608, Body 1.6x0.8mm, IPC Medium Density"
  rect 0.9x1 smd: 1(-0.8,0) 2(0.8,0)
  body extent -0.87,-0.47 0.88,0.48, height 0.55